# Altium PCB LimeNet-Micro_2v0.PcbDoc (part 7 of 11) (continued)
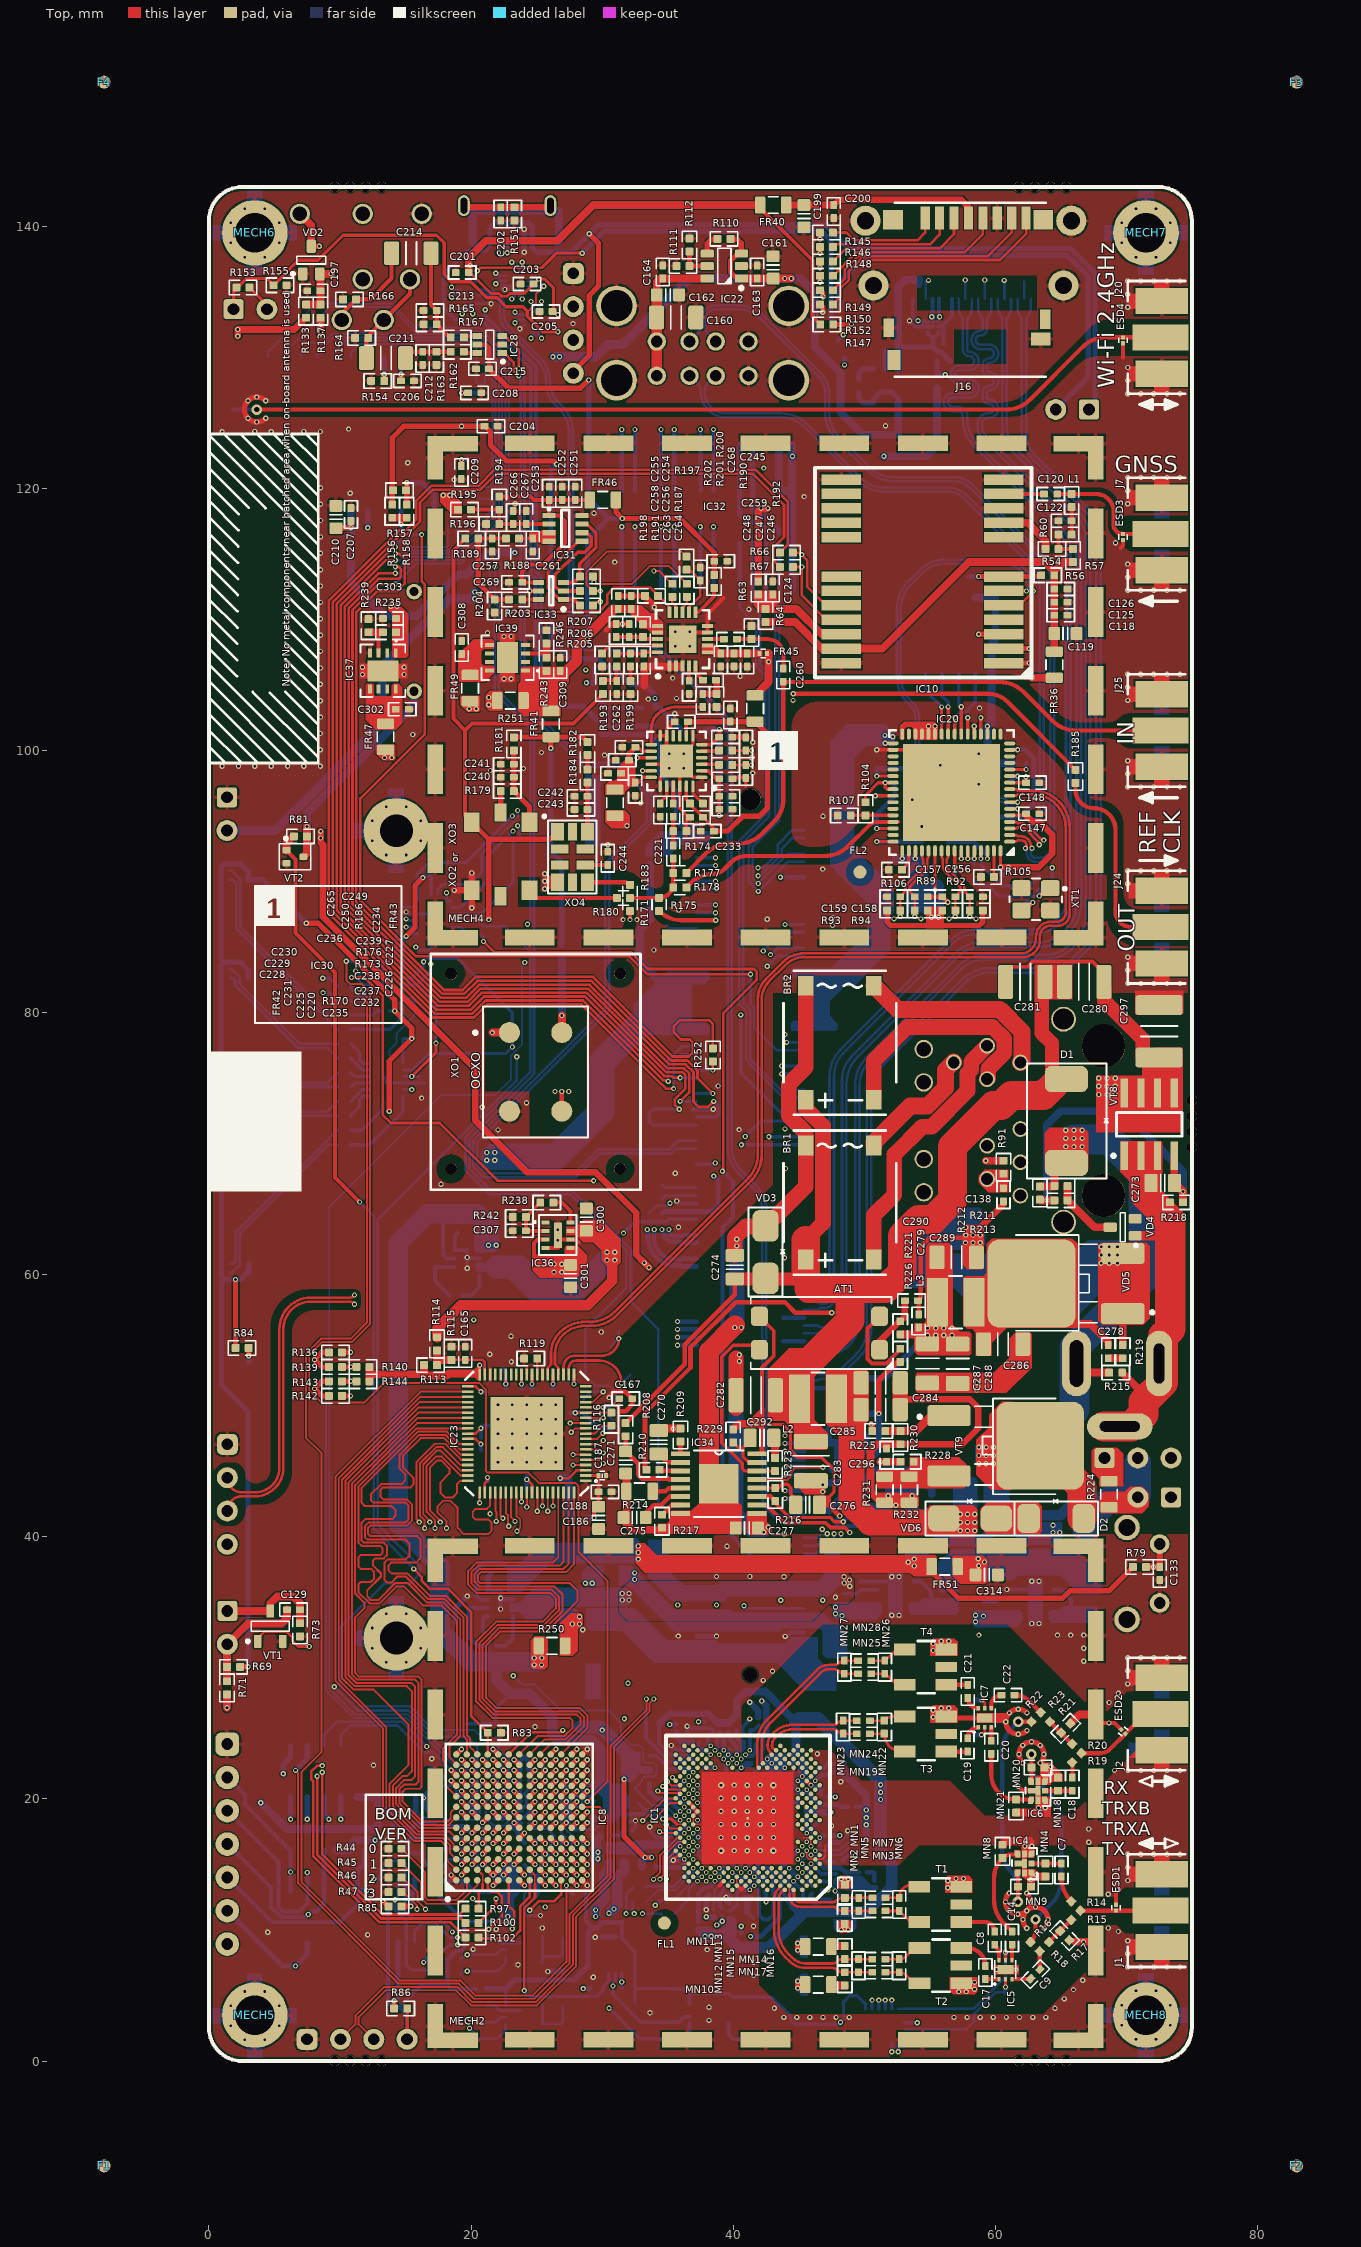
[diagram p0: Top view]
## Nets (pads, with @x,y where several pads share a name; then routed paths per layer and width w, separated by ;. In a path a pad name is that pad's centre, name@x,y a point inside that pad or via, vN(x,y) a via of type N, cw(c..) or ccw(c..) an arc to the next point about the centre after c; other vN are vias at no path point) (continued)
  Top w0.4: R181.1@23.261,100 C241.2@23.261,98.95 C240.2@23.261,97.95 R179.2@23.261,96.9 24.45,95.711 XO2.5@24.45,94.525
NetC242_2: C242.2 C243.2 R184.2 XO4.9 | length 3.7
  Top w0.4: XO4.9@28.886,93.8 R184.2@28.886,97.55
NetC244_2: C244.2 XO4.7 | length 1.7
  Top w0.3: XO4.7@28.711,91.275 C244.2@30.436,91.275
NetC246_2: C246.2 C247.1 C248.1 FR45.2 IC32.6 IC32.7 | length 1.1
  Top w0.3: IC32.7@38.038,108 IC32.6@38.038,107.5 38.688,107.5
NetC249_1: C249.1 IC32.5 | length 1.3
  Top w0.3: IC32.5@37.138,106.45 37.138,105.925 C249.1@37.688,105.375
NetC249_2: C249.2 C250.1 R186.2 | length 2.1
  Top w0.5: C250.1@37.688,104.325 38.688,104.325 R186.2@38.738,104.325 38.738,105.325 C249.2@38.688,105.375
NetC251_2: C251.2 C252.1 C253.1 C269.1 FR46.1 IC31.1 IC33.4 R194.2 | length 17.5
  Top w0.3: R194.2@22.15,119.375 24.55,119.375 24.8,119.125 C253.1@25.95,119.125 ; IC33.4@25.15,112.825 C269.1@23.9,112.825 23.9,113.625 24.475,114.2 25.5,114.2 27.15,115.85 27.15,117.5 26.725,117.925 IC31.1@25.95,117.925 C253.1@25.95,119.125 ; FR46.1@29.05,119.125 C251.2@27.95,119.125 C252.1@26.95,119.125 C253.1@25.95,119.125
NetC256_2: C256.2 C258.1 IC32.18 R187.1 | length 3.2
  Top w0.3: C258.1@31.113,108.675 C256.2@32.113,108.675 ; C256.2@32.088,108.65 R187.1@33.113,108.65 33.263,108.5 IC32.18@34.238,108.5
NetC257_2: C257.2 R188.1 R189.2 R203.1 R204.1 | length 8.4
  Top w0.3: R189.2@20.55,116.175 R188.1@22.65,116.175
  Top w0.4: R189.2@20.55,116.175 20.55,112.775 R204.1@21.8,111.525 R203.1@22.9,111.525
NetC259_1: C259.1 C260.2 R192.2 | length 5.3
  Top w0.3: C259.1@40.288,108.5 41.35,108.5 42.625,108.5 cw(c42.625,107.3) 43.825,107.3 C260.2@43.825,106.25
NetC259_2: C259.2 IC32.8 | length 1.2
  Top w0.3: IC32.8@38.038,108.5 C259.2@39.288,108.5
NetC261_1: C261.1 IC31.3 IC31.4 R188.2 | length 1
  Top w0.3: R188.2@23.65,116.175 C261.1@24.7,116.175
NetC262_2: C262.2 R191.2 R193.1 | length 2.1
  Top w0.309: R193.1@30.038,105.375 30.967,105.375 cw(c30.967,105.204) C262.2@31.088,105.325 ; C262.2@31.088,105.35 R191.2@31.088,106.4
NetC263_1: C263.1 R199.2 | length 1.1
  Top w0.3: C263.1@32.163,106.4 32.163,105.35 R199.2@32.213,105.3
NetC263_2: C263.2 C264.2 IC32.20 R191.1 | length 3.2
  Top w0.3: R191.1@31.113,107.4 C263.2@32.163,107.4 C264.2@33.163,107.4 33.263,107.5 IC32.20@34.238,107.5
NetC265_1: C265.1 IC32.4 | length 1.1
  Top w0.3: C265.1@36.638,105.325 IC32.4@36.638,106.45
NetC268_2: C268.2 IC32.12 R200.2 | length 4.2
  Top w0.2: R200.2@36.45,113.8 36.675,113.8 C268.2@37.5,112.975 37.5,111.8 36.638,110.938 IC32.12@36.638,110.55
NetC270_2: C270.2 IC34.2 | length 1.9
  Top w0.35: C270.2@34.324,46.312 34.96,45.676 ; 34.961,45.675 IC34.2@35.979,45.675
NetC271_2: C271.2 IC34.4 R208.1 | length 6.7
  Top w0.35: R208.1@31.792,47.675 31.796,47.671 C271.2@31.796,46.525 32.75,45.571 32.75,44.725 33.025,44.45 35.047,44.45 35.122,44.375 IC34.4@35.979,44.375
NetC272_1: C272.1 D1.A J26.1 R210.1 R211.1 R212.1 R215.2 | length 78.8
  Top w0.35: R210.1@33.374,45.112 33.27,45.216 33.27,49.445 36.744,52.919 36.744,54.463 40.181,57.9 43.95,57.9 44.75,57.1 v1(47.525,57.1)
  Top w0.6: R212.1@63.4,66.725 64.471,66.725 R211.1@64.511,66.765 64.511,67.611 D1.A@65.425,68.525 ; J26.1@66.5,53.225 67.2,52.525 R215.2@68.688,52.525
  L4 w0.35: v1(47.525,57.1) 49.825,57.1 58.675,65.95 60.25,65.95 61.5,67.2 61.5,67.225 61.625,67.35 62.95,67.35 v1(65.375,69.775)
  Bottom w2.3: v1@66,70.325 68.65,70.325 71.325,67.65 71.325,59.75 66.05,54.475 C272.1@66.05,49.725
  other v1: 66,69.775 66.625,69.775 65.375,70.4 66,70.4 66.625,70.4 65.375,71.025 66,71.025 66.625,71.025
NetC273_1: C273.1 J26.2 J26.3 R215.1 R218.2 VD4.1 VT8.1 VT8.2 VT8.3 | length 28.9
  Top w0.6: R215.1@69.687,52.525 71.3,50.912 71.3,50.274
  Top w0.7: VD4.1@70.675,62.975 73.275,62.975 ; 73.275,62.9 73.35,62.825
  Top w2.3: J26.3@68.3,48.425 69.8,48.425 70.375,48.425 71.3,49.35 71.3,50.274 72.8,51.774 72.8,53.225 72.8,55.3 73.35,55.85 73.35,62.825 73.35,64.167 71.425,66.092 C273.1@71.425,67.6
NetC273_2: C273.2 R212.2 R213.1 R218.1 VT8.4 | length 24.8
  Top w0.6: R212.2@63.4,65.725 63.45,65.675 R213.1@64.511,65.675 ; VT8.4@73.655,68.95 73.655,67.02 C273.2@73.675,67 v1(74.325,66.35) R218.1@74.325,65.525
  Bottom w0.6: v1(63.95,65.675) 63.95,71.45 64.975,72.475 69.725,72.475 74.325,67.875 v1(74.325,66.35)
NetC275_2: C275.2 IC34.6 | length 3.3
  Top w0.35: C275.2@33.374,41.637 33.374,41.862 33.899,42.387 34.462,42.387 35.15,43.075 35.326,43.075 IC34.6@35.979,43.075
NetC278_1: C278.1 R219.2 | length 1
  Top w0.6: C278.1@68.75,53.625 R219.2@69.725,53.625
NetC278_2: C278.2 C286.2 L3.1 VD5.4 | length 7.9
  Top w0.6: VD5.4@62.774,59.325 65.849,56.25 67.25,56.25 68.62,54.88 C278.2@68.62,54.625
NetC284_2: C284.2 C285.2 L2.2 T5.3 VD6.K | length 15.7
  Top w2: L2.2@48.55,49 49.025,48.525 49.025,42.539 50.464,41.1 v1(57.325,41.1) v1@57.475,41.1
  other v1: 57.325,40.475 57.875,40.475 58.425,40.475 57.875,41.1 58.425,41.1 57.325,41.725 57.875,41.725 58.425,41.725
NetC291_1: C291.1 D4.4 R222.1 R227.2 R233.2 R234.2 | length 6.9
  Bottom w0.4: R227.2@47.455,45.125 47.875,45.545 47.875,47.131 47.831,47.175
  Bottom w0.6: D4.4@47.403,49.375 47.455,49.323 47.455,48.276 R233.2@47.456,48.275 47.231,48.05 R234.2@47.231,47.175 47.831,47.175 C291.1@48.503,47.175 R222.1@49.555,47.175
NetC291_2: C291.2 C295.2 D4.3 R226.1 | length 12.9
  Top w0.4: v1(51.1,49.4) 51.1,51.919 52.531,53.35 R226.1@52.745,53.35
  Bottom w0.5: C295.2@48.455,45.125 C295.2@48.505,45.125 49.683,45.125 51.13,46.572 51.13,49.37 51.125,49.375 D4.3@50.003,49.375
  Bottom w0.6: C295.2@48.503,45.2 C291.2@48.503,46.175
NetC292_2: C292.2 R223.1 | length 1.6
  Top w0.6: C292.2@43.096,47.55 43.2,47.446 R223.1@43.2,46.015
NetC295_1: C295.1 R227.1 | length 1
  Bottom w0.6: R227.1@47.455,44.125 C295.1@48.43,44.125
NetC302_2: C302.2 FR47.2 IC37.5 IC37.8
NetC304_2: C304.2 FR48.2 IC38.5 IC38.8 | length 4.4
  Bottom w0.3: IC38.5@53.75,36.593 54.316,36.593 55.08,35.829 C304.2@55.08,34.529 56.38,34.529 FR48.2@56.48,34.629
NetC306_1: C306.1 IC35.2 R237.1 R241.2 | length 4.1
  Bottom w0.3: R237.1@18.355,58.425 R241.2@17.255,59.525 C306.1@17.255,60.575 IC35.2@18.75,60.575
NetC307_1: C307.1 IC36.2 R238.1 R242.2 | length 4.1
  Top w0.3: R238.1@25.277,65.5 R242.2@24.177,64.4 C307.1@24.177,63.35 IC36.2@25.672,63.35
NetC308_2: C308.2 FR49.2 IC39.5 IC39.8
NetC310_2: C310.2 FR50.2 IC40.5 IC40.8 | length 4.4
  Bottom w0.3: IC40.5@64.433,35.975 64.999,35.975 65.763,35.211 C310.2@65.763,33.911 67.063,33.911 FR50.2@67.163,34.011
NetC315_1: C315.1 IC41.2 R248.1 R249.2 | length 5.1
  Bottom w0.3: R248.1@20.905,31.675 20.525,31.675 19.805,32.395 R249.2@19.805,33.525 C315.1@19.805,34.575 IC41.2@21.3,34.575
NetD2_A: D2.A T5.4 VT9.4 | length 6.9
  Top w2.2: VT9.4@63.426,46.95 66.623,43.753 D2.A@66.623,41.4
  other v1: 58.75,45.575 59.3,45.575 59.85,45.575 58.75,46.2 59.3,46.2 59.85,46.2 58.75,46.825 59.3,46.825 59.85,46.825
NetD2_C: D2.C VD6.A
NetD3_A: D3.A R220.1 | length 3.1
  Bottom w0.6: D3.A@47.3,42 48.5,43.2 R220.1@49.875,43.2
NetESD1_1: ESD1.1 J1.1 R14.2 R15.2 | length 6.1
  Top w0.325: R15.2@66.5,11.475 J1.1@72.6,11.475
NetESD2_1: ESD2.1 J2.1 R19.2 R20.2 | length 7.4
  Top w0.325: R20.2@66.573,23.49 67.945,23.49 ccw(c67.945,24.687) 68.791,23.841 ESD2.1@69.925,24.975 ; 69.054,24.104 71.301,26.351 cw(c71.6,26.053) J2.1@71.6,26.475
NetFR41_2: FR41.2 R172.1 R181.2 R182.1 | length 22
  Top w0.4: R181.2@23.261,101 23.286,101.025 FR41.2@26.086,101.025 ; v1(26.086,100.164) FR41.2@26.086,101.025 ; R182.1@28.886,100.65 28.511,101.025 FR41.2@26.086,101.025
  Bottom w0.4: v1(26.086,100.164) 26.086,92.314 26.925,91.475 R172.1@26.925,85.125
NetIC1_D28: IC1.D28 R9.1 | length 3
  Bottom w0.15: R9.1@35.532,12.299 35.532,12.363 36.797,13.628 36.797,13.844 37.023,14.07 37.594,14.07 v2(37.611,14.053)
NetIC1_F18: IC1.F18 R11.1 | length 2.2
  Bottom w0.25: v2(40.941,14.719) 41.179,14.957 41.179,15.454 41.562,15.836 41.562,16.569 R11.1@41.511,16.621
NetIC1_F28: IC1.F28 R8.1 | length 5.4
  Bottom w0.15: R8.1@33.331,12.105 34.269,13.044 35.572,13.044 36.609,14.081 36.897,14.369 37.261,14.369 v2(37.611,14.719)
NetIC1_F30: IC1.F30 R7.1 | length 4.2
  Bottom w0.2: R7.1@33.322,13.219 33.447,13.344 35.483,13.344 36.858,14.719 v2(36.945,14.719)
NetIC8_C4: IC8.C4 R51.2 | length 3.7
  Top w0.4: v1(20.072,15.794) IC8.C4@20.472,16.194
  Bottom w0.2: R51.2@17.272,15.894 17.572,16.194 19.672,16.194 v1(20.072,15.794)
NetIC8_E5: IC8.E5 R39.2 | length 6.2
  Top w0.4: v1(21.672,16.594) IC8.E5@22.072,16.994
  Bottom w0.2: R39.2@17.872,14.794 17.872,14.96 18.306,15.394 20.238,15.394 20.472,15.628 20.472,16.76 20.706,16.994 21.285,16.994 21.672,16.607 v1(21.672,16.594)
NetIC8_E7: IC8.E7 R50.2 | length 7.6
  Top w0.4: v1(21.672,18.994) IC8.E7@22.072,18.594
  Bottom w0.2: v1(21.672,18.994) 22.072,19.394 22.072,19.96 22.306,20.194 22.638,20.194 22.872,20.428 22.872,23.16 22.638,23.394 22.256,23.394 22.072,23.578 22.072,24.544 R50.2@21.872,24.744
NetIC10_1: IC10.1 R65.2 | length 2.7
  Top w0.4: IC10.1@60.653,106.675 v1(62.581,106.675)
  Bottom w0.4: R65.2@61.831,106.675 v1(62.581,106.675)
NetIC10_2: IC10.2 R62.2 | length 2.7
  Top w0.4: IC10.2@60.653,107.775 v1(62.581,107.775)
  Bottom w0.4: R62.2@61.831,107.775 v1(62.581,107.775)
NetIC19_3: IC19.3 R86.2 | length 5.2
  Top w0.4: R86.2@14.125,4 v1(14.125,4.6)
  Bottom w0.4: v1(14.125,4.6) 14.415,4.89 IC19.3@14.415,9.1
NetIC19_7: IC19.7 R85.2 | length 2.9
  Top w0.4: R85.2@14.7,11.8 v1(15.407,11.8)
  Bottom w0.4: v1(15.407,11.8) 15.407,12.707 15.685,12.985 IC19.7@15.685,13.9
NetIC20_20: IC20.20 R97.1 | length 164.2
  Top w0.2: v1@8.65,21.875 8.65,15.775 13.25,11.175 19.125,11.175 R97.1@19.575,11.625
  Top w0.25: IC20.20@58.9,101.25 v1(58.9,102.5)
  L3 w0.1: v1(8.65,22.025) 8.175,22.5 8.175,23.274 8.175,28.3 9.15,29.275 9.15,58.799 10.352,60 20.559,60 22.4,61.841 22.4,95.8 27.475,100.875 27.475,113.25 30.15,115.925 35.516,115.925 46.166,105.275 56.725,105.275 58.375,103.625 58.375,103.025 v1(58.9,102.5)
NetIC20_21: IC20.21 R100.1 | length 164.7
  Top w0.2: v1@8.25,21.675 8.25,15.751 13.126,10.875 19.225,10.875 R100.1@19.575,10.525
  Top w0.25: IC20.21@58.4,101.25 v1(58.4,101.85)
  L3 w0.1: v1(8.25,21.725) 8.3,21.675 8.795,21.675 9.025,21.905 9.025,22.794 8.575,23.244 8.575,28.134 9.55,29.109 9.55,58.633 10.517,59.6 20.725,59.6 22.8,61.675 22.8,95.634 27.875,100.709 27.875,113.084 30.316,115.525 35.35,115.525 46,104.875 56.559,104.875 57.975,103.459 57.975,103.07 57.55,102.645 57.55,102.35 58.05,101.85 v1(58.4,101.85)
NetIC20_22: IC20.22 R102.1 | length 165.5
  Top w0.2: v1(8.65,22.544) 8.269,22.544 7.8,22.075 7.8,21.519 7.95,21.369 7.95,15.626 13.001,10.575 18.425,10.575 R102.1@19.575,9.425
  Top w0.25: IC20.22@57.9,101.25 v1(57.9,102.5)
  L3 w0.1: v1@8.625,22.544 8.375,22.794 8.375,23.077 8.375,28.217 9.35,29.192 9.35,58.716 10.434,59.8 20.642,59.8 22.6,61.758 22.6,95.717 27.675,100.792 27.675,113.167 30.233,115.725 35.433,115.725 46.083,105.075 56.642,105.075 58.175,103.542 58.175,102.775 v1(57.9,102.5)
NetIC20_50: IC20.50 R106.1 | length 1.7
  Top w0.25: R106.1@52.875,90.9 53.4,91.425 IC20.50@53.4,92.35
NetIC20_61: IC20.61 R95.1 R96.1 | length 6.5
  Top w0.25: v1(58.9,91.75) IC20.61@58.9,92.35
  Bottom w0.25: v1(58.9,91.75) 58.925,91.725 58.925,91.25 R96.1@60.5,89.675 62.625,89.675 R95.1@63.35,90.4
NetIC20_63: IC20.63 R105.1 | length 2
  Top w0.25: R105.1@59.9,90.35 IC20.63@59.9,92.35
NetIC22_4: IC22.4 R110.2 | length 1.7
  Top w0.4: IC22.4@38.02,137.92 38.02,138.707 38.333,139.02 R110.2@38.82,139.02
NetIC22_5: IC22.5 R111.1 R112.1 | length 2.5
  Top w0.4: R112.1@36.67,138.07 R111.1@36.67,136.97 IC22.5@38.02,136.97
NetIC23_27: IC23.27 R119.2 | length 1.2
  Top w0.2: IC23.27@25.05,52.375 R119.2@25.05,53.6
NetIC24_10: IC24.10 R147.2 VT5.D | length 38.5
  Top w0.22: v1(20.475,136.6) 20.715,136.84 25.39,136.84 26.5,137.95 v1(28.475,137.95)
  Top w0.4: R147.2@47.638,132.513 v1(49.025,132.513)
  Bottom w0.22: IC24.10@20.325,135.8 20.325,136.45 v1(20.475,136.6)
  Bottom w0.4: v1(28.475,137.95) 30.15,139.625 34.017,139.625 46.75,139.625 47.453,138.922 47.453,132.947 47.887,132.513 VT5.D@48.493,132.513 v1(49.025,132.513)
NetIC26_9: IC26.9 R154.1 | length 1.8
  Top w0.4: R154.1@13.375,128.2 v1(13.375,128.705)
  Bottom w0.4: v1(13.375,128.705) IC26.9@13.375,129.99
NetIC26_23: IC26.23 R157.2 R158.2 | length 5.4
  Top w0.4: R158.2@15.085,118.76 v1(15.085,120.435)
  Bottom w0.4: v1(15.085,120.435) 16.24,120.435 17.185,119.49 IC26.23@17.185,118.29
NetIC26_25: IC26.25 R156.2 R158.1 R159.2 | length 3.4
  Top w0.4: v1(14.645,117.255) 14.645,117.76
  Top w0.6: R156.2@13.985,117.76 R158.1@15.085,117.76
  Bottom w0.4: IC26.25@14.645,118.29 v1(14.645,117.255) 14.645,116.48 R159.2@14.65,116.475
NetIC28_4: IC28.4 R167.1 | length 1.2
  Top w0.325: R167.1@19.447,131.525 19.547,131.625 IC28.4@20.572,131.625
NetIC28_6: IC28.6 R162.1 | length 1.2
  Top w0.325: R162.1@19.447,130.425 19.547,130.325 IC28.6@20.572,130.325
NetIC29_4: IC29.4 R168.2 | length 1.7
  Bottom w0.4: R168.2@49.6,128.325 49.6,128.812 49.913,129.125 IC29.4@50.7,129.125
NetIC29_5: IC29.5 R169.1 | length 1.4
  Bottom w0.4: IC29.5@51.65,129.125 R169.1@51.65,130.475
NetIC30_3: IC30.3 R173.2 | length 1.3
  Top w0.3: IC30.3@37.6,98.95 38.875,98.95 R173.2@38.925,98.9
NetIC30_5: IC30.5 R176.2 | length 1.3
  Top w0.3: IC30.5@37.6,99.95 38.875,99.95 R176.2@38.925,100
NetIC30_24: IC30.24 R170.1 | length 1.6
  Top w0.25: IC30.24@36.925,97.275 36.925,96.725 R170.1@37.7,95.95
NetIC32_11: IC32.11 R190.1 | length 2.6
  Top w0.3: IC32.11@37.138,110.55 37.338,110.55 38.55,111.762 R190.1@38.55,112.4
NetIC32_13: IC32.13 R201.2 | length 1.3
  Top w0.2: IC32.13@36.138,110.55 36.138,110.913 36.463,111.238 R201.2@36.463,111.725
NetIC32_14: IC32.14 R202.2 | length 1.3
  Top w0.2: R202.2@35.363,111.725 35.363,111.237 35.638,110.962 IC32.14@35.638,110.55
NetIC32_19: IC32.19 R198.1 | length 4.5
  Top w0.3: R198.1@30.013,107.45 30.563,108 IC32.19@34.238,108
NetIC33_6: IC33.6 R203.2 | length 1.3
  Top w0.3: R203.2@23.9,111.525 IC33.6@25.15,111.525
NetIC34_1: IC34.1 R209.2 | length 0.9
  Top w0.35: R209.2@35.974,47.262 35.979,47.257 IC34.1@35.979,46.336
NetIC34_5: IC34.5 R214.1 | length 2.2
  Top w0.35: R214.1@33.85,43.475 34.837,43.475 35.082,43.72 IC34.5@35.979,43.72
NetIC34_7: IC34.7 R217.1 | length 1.7
  Top w0.35: R217.1@34.574,41.687 35.312,42.424 IC34.7@35.979,42.425
NetIC35_8: IC35.8 R237.2 | length 2.4
  Bottom w0.3: R237.2@19.355,58.425 20.025,58.425 20.65,59.05 IC35.8@20.65,59.925
NetIC36_8: IC36.8 R238.2 | length 2.4
  Top w0.3: R238.2@26.277,65.5 26.947,65.5 27.572,64.875 IC36.8@27.572,64
NetIC37_3: IC37.3 R235.1 R239.1 | length 2.6
  Top w0.3: IC37.3@12.95,107.45 12.95,108.976
  Top w0.6: R239.1@12.168,109.025 R235.1@13.268,109.025
NetIC38_3: IC38.3 R236.1 R240.2 | length 2.7
  Bottom w0.3: R236.1@48.405,35.654 49.405,35.654 R240.2@49.505,35.754 49.694,35.943 IC38.3@51,35.943
NetIC39_3: IC39.3 R243.1 R246.1 | length 2.7
  Top w0.3: IC39.3@24.155,107.414 25.75,107.414
  Top w0.6: R243.1@25.75,107.075 25.75,107.414 R246.1@25.75,108.175
NetIC40_3: IC40.3 R244.2 R247.2 | length 2.7
  Bottom w0.3: R244.2@59.088,35.036 60.088,35.036 R247.2@60.188,35.136 60.377,35.325 IC40.3@61.683,35.325
NetIC41_1: IC41.1 R245.2 | length 1.5
  Bottom w0.3: R245.2@20.905,32.775 20.905,33.775 21.055,33.925 IC41.1@21.3,33.925
NetIC41_8: IC41.8 R248.2 | length 3.2
  Bottom w0.3: R248.2@21.905,31.675 22.625,31.675 23.2,32.25 IC41.8@23.2,33.925
NetJ9_P7: J9.P7 R99.2 | length 193
  L4 w0.1: v1(8.7,81.525) 9.675,82.5 9.675,83.8 9.675,124.858 3.026,131.506 3.026,134.451 7.8,139.225 25.525,139.225 26.175,139.875 47,139.875 48.525,138.35 51.275,138.35 56.15,133.475 56.15,131.275 66.831,120.594 66.831,90.921 53.5,77.591 53.5,67.33 J9.P7@54.545,66.285
  Bottom w0.25: v1(8.7,81.525) 9.208,81.525 R99.2@9.808,80.925
NetJ9_P13: J9.P13 R101.2 | length 183.4
  L4 w0.1: v1(8.675,82.625) 9.475,83.425 9.475,83.8 9.475,124.775 2.826,131.424 2.826,134.534 7.717,139.425 25.442,139.425 26.092,140.075 47.083,140.075 48.608,138.55 51.358,138.55 56.35,133.558 56.35,131.358 67.031,120.677 67.031,90.839 55.575,79.383 55.575,75.705 J9.P13@54.545,74.675
  Bottom w0.25: v1(8.675,82.625) 9.207,82.625 R101.2@9.807,82.025
NetJ13_28: J13.28 R121.2 | length 2.4
  Bottom w0.2: R121.2@34.9,86.675 35.15,86.425 J13.28@37.2,86.425
NetJ13_30: J13.30 R122.2 | length 2.4
  Bottom w0.2: R122.2@34.9,85.575 35.15,85.825 J13.30@37.2,85.825
NetJ13_52: J13.52 R252.1 | length 1.9
  Top w0.2: v1(38.45,75.625) R252.1@38.45,76.275
  Bottom w0.25: J13.52@37.2,75.625 v1(38.45,75.625)
NetJ13_82: J13.82 R125.2 | length 2.7
  Bottom w0.2: R125.2@34.575,66.875 34.825,66.625 J13.82@37.2,66.625
NetJ13_84: J13.84 R126.2 | length 2.7
  Bottom w0.2: R126.2@34.575,65.775 34.825,66.025 J13.84@37.2,66.025
NetJ13_168: J13.168 R123.2 | length 2.4
  Bottom w0.2: R123.2@34.825,40.825 J13.168@37.2,40.825
NetJ13_177: J13.177 R124.1 | length 73.9
  Top w0.2: v1(20.95,85.425) 21.775,84.6 32.212,84.6 33.487,83.325 41.6,83.325 41.8,83.125 41.8,82.515 39.25,79.965 39.25,67.975 v1(39.175,67.9)
  Bottom w0.2: R124.1@20.75,86 20.95,85.8 v1(20.95,85.425)
  Bottom w0.3: v1(39.175,67.9) 39.975,67.1 39.975,64.4 39.175,63.6 39.175,40.772 41.822,38.125 J13.177@45.4,38.125
NetJ16_1: J16.1 R145.2 | length 8.6
  Top w0.2: R145.2@47.625,139.525 48.65,139.525 49.25,138.925 54.05,138.925 54.65,139.525 J16.1@54.65,140.625
NetJ16_2: J16.2 R146.2 | length 9.8
  Top w0.2: R146.2@47.625,138.425 47.825,138.625 55.005,138.625 55.75,139.37 J16.2@55.75,140.625
NetJ16_3: J16.3 R148.2 | length 11.3
  Top w0.2: R148.2@47.625,137.325 48.625,138.325 55.775,138.325 56.85,139.4 J16.3@56.85,140.625
NetJ16_5: J16.5 R149.2 | length 14
  Top w0.2: R149.2@47.625,136.225 49.425,138.025 57.68,138.025 59.05,139.395 J16.5@59.05,140.625
NetJ16_7: J16.7 R150.2 | length 16.9
  Top w0.2: R150.2@47.625,135.125 48.525,136.025 48.525,136.7 49.549,137.725 59.455,137.725 61.25,139.52 J16.7@61.25,140.625
NetJ16_8: J16.8 R152.2 | length 19
  Top w0.2: R152.2@47.625,134.025 48.2,134.6 48.2,135.275 48.825,135.9 48.825,136.576 49.674,137.425 60.35,137.425 62.35,139.425 J16.8@62.35,140.625
NetJ24_1: J24.1 R185.1 | length 15.7
  Top w0.325: R185.1@66.125,97.525 66.125,97 ccw(c67.525,97) 67.525,95.6 cw(c67.525,93.953) 69.172,93.953 69.172,87.725 ccw(c70.372,87.725) 70.372,86.525 J24.1@72.6,86.525
NetLED1_3: LED1.3 R68.1 | length 13.7
  Bottom w0.2: LED1.3@1.625,60.837 1.837,60.837 2.05,61.05 2.05,63.275 R68.1@9.8,71.025
NetLED1_4: LED1.4 R70.1 | length 13.6
  Bottom w0.2: LED1.4@1.625,60.137 1.729,60.137 2.35,60.759 2.35,63.15 9.125,69.925 R70.1@9.8,69.925
NetLED2_3: LED2.3 R72.1 | length 10.4
  Bottom w0.2: LED2.3@1.625,68.337 1.837,68.337 2.05,68.55 2.05,68.925 5.55,72.425 9.008,72.425 R72.1@9.808,73.225
NetLED2_4: LED2.4 R74.1 | length 10.3
  Bottom w0.2: LED2.4@1.625,67.637 1.729,67.637 2.35,68.259 2.35,68.775 5.7,72.125 R74.1@9.8,72.125
NetLED3_3: LED3.3 R75.1 | length 9.3
  Bottom w0.2: LED3.3@1.6,75.837 1.704,75.837 2.325,75.216 2.325,74.774 2.474,74.625 9.008,74.625 R75.1@9.808,75.425
NetLED3_4: LED3.4 R76.1 | length 8.7
  Bottom w0.2: LED3.4@1.6,75.137 1.812,75.137 2.025,74.925 2.025,74.65 2.35,74.325 R76.1@9.808,74.325
NetLED4_3: LED4.3 R77.1 | length 10.9
  Bottom w0.2: LED4.3@1.6,83.337 1.704,83.337 2.325,82.716 2.325,82.2 6.9,77.625 R77.1@9.808,77.625
NetLED4_4: LED4.4 R78.1 | length 11
  Bottom w0.2: LED4.4@1.6,82.637 1.812,82.637 2.025,82.425 2.025,82.05 6.775,77.3 9.03,77.3 R78.1@9.805,76.525
NetLED5_3: LED5.3 R80.1 | length 14.9
  Bottom w0.2: LED5.3@1.6,90.837 1.704,90.837 2.375,90.166 2.375,86.582 9.132,79.825 R80.1@9.808,79.825
NetLED5_4: LED5.4 R82.1 | length 14.9
  Bottom w0.2: LED5.4@1.6,90.137 1.812,90.137 2.075,89.875 2.075,86.458 R82.1@9.808,78.725
NetLED6_1: LED6.1 R84.2 | length 1.1
  Top w0.4: v1(3.025,53.825) R84.2@3.025,54.412
  Bottom w0.4: LED6.1@3.025,53.337 v1(3.025,53.825)
NetLS1_2: LS1.2 R81.2 VT2.D | length 16.1
  Top w0.6: VT2.D@7.205,91.889 7.475,92.159 v1(7.475,94.2) ; LS1.2@15.646,104.529 LS1.2@15.65,104.525
  Bottom w0.6: v1(7.475,94.2) 7.475,95.264 15.65,103.439 LS1.2@15.65,104.525
NetMN10_1: MN10.1 MN12.2 | length 1
  Top w0.6: MN10.1@47.54,5.774 MN12.2@48.511,5.774
NetMN11_1: MN11.1 MN13.2 | length 1
  Top w0.6: MN11.1@47.536,8.774 MN13.2@48.511,8.774
NetR54_1: R54.1 R57.2 R60.1 | length 2.2
  Top w0.325: R60.1@64.828,116.475 R54.1@64.828,115.375 R57.2@65.928,115.375
NetR134_2: R134.2 R138.2 VT3.S VT4.D | length 4.3
  Bottom w0.4: VT4.D@29.9,103.93 29.9,103.675 30.34,103.235 30.395,103.235 ; VT3.S@30.395,102.508 30.395,103.235 ; R134.2@33.035,103.235 R138.2@31.935,103.235 30.395,103.235
NetR171_2: R171.2 XO1.3 | length 17
  Top w0.325: XO1.3@26.925,72.475 v1(26.925,73.984) ; v1(32.125,87.1) R171.2@32.125,87.75
  L3 w0.1: v1(26.925,73.984) 26.925,75.373 cw(c29.465,75.373) 27.669,77.169 28.581,78.081 ccw(c26.785,79.877) 29.325,79.877 29.325,82.148 cw(c31.865,82.148) 30.069,83.944 31.381,85.256 ccw(c29.585,87.052) 32.125,87.052 v1(32.125,87.1)
NetR179_1: R179.1 XO2.6 | length 1.6
  Top w0.4: XO2.6@22.25,95.275 22.261,95.286 R179.1@22.261,96.9
NetR180_2: R180.2 XO2.4 XO3.3 | length 6.6
  Top w0.325: XO2.4@24.5,88.75 R180.2@31.125,88.75
NetR182_2: R182.2 R184.1 | length 1.1
  Top w0.4: R184.1@28.886,98.55 R182.2@28.886,99.65
NetR183_1: R183.1 XO4.6 | length 3.3
  Top w0.325: XO4.6@28.886,89.95 31.642,89.95 cw(c31.642,89.267) R183.1@32.125,89.75
NetR211_2: R211.2 R213.2 VD4.3 | length 5.2
  Top w0.6: R211.2@65.511,66.765 R213.2@65.511,65.675 67.511,63.675 67.55,63.675 67.6,63.625 VD4.3@68.775,63.625
NetR219_1: R219.1 T5.7 T5.8 VD5.1 VD5.3 | length 2.7
  Top w0.6: R219.1@69.725,54.625 69.725,56.524 VD5.1@70.226,57.025 ; VD5.3@70.226,61.625 VD5.3@70.275,61.674
  other v1: 68.075,60.875 68.7,60.875 69.325,60.875 68.075,61.5 68.7,61.5 69.325,61.5 68.075,62.125 68.7,62.125 69.325,62.125
NetR220_2: R220.2 T5.2 | length 6.6
  Bottom w0.6: R220.2@49.875,44.2 50.75,45.075 53.725,45.075 55.15,43.65 T5.2@55.15,43.25
NetR225_2: R225.2 R230.1 VT9.1 | length 4.9
  Top w0.6: R225.2@51.606,48.067 R230.1@52.775,48.067 53.953,48.067 55.136,49.25 VT9.1@55.974,49.25
NetR228_2: R228.2 R231.1 R232.1 VT9.3
POE1_DC+: BR1.3 J9.P10 | length 20.3
  Top w1.2: BR1.3@50.735,61.15 50.735,64.535 52.3,66.1 52.3,69.168 54.432,71.3 55.15,71.3 57.881,74.031 57.881,75.382 58.16,75.661 58.16,76.25 J9.P10@59.375,77.465
POE1_DC-: BR1.4 J9.P11 | length 9.4
  Top w1.3: BR1.4@50.735,69.85 50.735,70.111 53.505,72.882 54.822,72.882 56.206,74.265 56.206,75.366 ; 56.206,75.616 J9.P11@56.81,76.22
POE2_DC+: BR2.3 J9.P8 | length 18
  Top w1.2: BR2.3@50.735,73.35 50.735,76.333 53.302,78.9 59.778,78.9 60.675,78.003 60.675,76.927 59.46,75.712 59.46,75.01 J9.P8@59.375,74.925
POE2_DC-: BR2.4 J9.P9 | length 15.1
  Top w1.3: BR2.4@50.735,82.05 52.535,80.25 60.338,80.25 62.025,78.563 62.025,76.305 J9.P9@61.915,76.195
POE_AGND: AT1.3 C270.1 C276.1 C294.1 IC34.16 R209.1 R229.2 | length 36.7
  Top w0.25: 42.21,48.575 43.772,48.575 44.375,47.972 44.375,46.6 44.925,46.05 46.772,46.05 47.684,45.138 47.684,43.403 C276.1@47.056,42.775
  Top w0.3: AT1.3@41.998,56.82 43.096,55.723 43.096,53.795 42.209,52.909 42.209,49.175 ; 47.289,42.437 47.289,42.478 47.3,42.49
  Top w0.35: IC34.16@41.821,46.336 42.196,46.336 42.196,48.229 41.9,48.525 42.21,48.835
  Top w0.4: C276.1@46.575,42.437 47.289,42.437 v1(48.134,41.591)
  Top w0.55: R229.2@40,48.2 40.425,48.625 v1(41.4,48.625)
  Top w0.6: C270.1@34.324,48.112 34.474,48.262 R209.1@35.974,48.262
  L4 w0.6: v1(35.412,48.237) 41.012,48.237 v1(41.4,48.625)
  Bottom w0.3: v1@48.159,41.584 47.875,41.3 47.875,40.926 48.113,40.688 48.617,40.688 48.754,40.825 50.125,40.825 C294.1@50.25,40.7
POE_AUXII: IC34.3 R210.2 | length 1.5
  Top w0.35: R210.2@34.461,45.025 IC34.3@35.979,45.025
POE_COMP: AT1.4 IC34.14 R223.2 | length 15.1
  Top w0.25: AT1.4@41.998,54.28 41.653,54.625 40.004,54.625 39.125,53.746 39.125,47.175 40.7,45.6 40.7,45.212 40.897,45.015 R223.2@43.2,45.015
POE_CS: C296.1 IC34.13 R228.1 | length 11.7
  Top w0.15: IC34.13@41.821,44.38 41.851,44.35 44.138,44.35 44.375,44.587 44.375,44.9 44.775,45.3 v1(46.85,45.3)
  Top w0.6: v1@51.231,45.725 C296.1@51.7,45.725 R228.1@52.775,45.725
  L3 w0.15: v1(46.85,45.3) 50.816,45.3 v1(51.231,45.715)
POE_GD: IC34.10 R225.1 | length 17.5
  Top w0.3: IC34.10@41.821,42.425 42.55,42.425 43.9,41.075 47.056,41.075 47.431,40.7 48.515,40.7 v1(48.89,40.325)
  Top w0.4: v1(50.531,48.6) 50.606,48.525 R225.1@50.606,48.067
  L4 w0.35: v1(48.89,40.325) 48.89,46.959 v1(50.531,48.6)
POE_GND: C272.2 C277.1 C280.1 C281.1 C282.1 C283.1 C284.1 C285.1 C293.1 C296.2 C297.2 IC34.9 R230.2 R231.2 R232.2 T5.1 VT8.5 VT8.6 VT8.7 VT8.8 | length 152.2
  Top w0.3: C281.1@60.791,82.35 60.791,82.966 61.325,83.5 62.45,83.5 62.85,83.9 67.426,83.9 68.28,83.046 C280.1@68.28,82.35
  Top w0.5: C285.1@52.745,49.73 C285.1@52.75,49.735 ; R230.2@52.775,47.067 57.48,47.067 58.7,48.287 58.7,49.852 58.052,50.5 C285.1@52.825,50.5
  Top w0.6: R230.2@52.775,47.067 50.955,47.067 50.464,46.575 50.464,43.442 51.306,42.6 R231.2@51.556,42.6 R232.2@53.175,42.6
  Top w1.1: C280.1@68.311,81.878 68.311,80.903 71.25,77.964 71.25,76.725 71.75,76.225 71.75,71.5
  Top w1.15: C282.1@40.229,49.8 C282.1@40.229,50.8 40.229,53.625 ; C285.1@52.75,49.735 C284.1@52.75,51.725
  L4 w2.2: 52.4,43.136 52.7,43.436 52.7,56.325 54.3,57.925 68.85,57.925 71.575,60.65 71.575,71.325 v1(69.15,73.75) v1(68.525,74.375)
  L5 w1.15: 42.5,40.55 42.5,40.175 43.505,39.17 44.695,39.17 45.588,40.063 ; 46.475,43.875 46.475,43.5 45.588,42.613 45.588,40.063 ; 53.275,43.175 49.25,39.15 46.5,39.15 45.588,40.063
  Bottom w0.6: T5.1@52.65,42.775 T5.1@52.65,43.25
  Bottom w0.8: T5.1@53.15,42.65 C293.1@55.1,40.7 56.125,39.675 58.957,39.675 60.932,41.65 64.975,41.65 65.875,42.55 C272.2@65.875,47.425
  Bottom w1.15: 40.225,53.625 40.225,41.711 41.361,40.575 42.384,40.575
  other v1: 42.325,40.35 42.675,40.725 52.4,42.4 51.825,43.136 53.65,43.125 46.825,43.45 46.825,43.975 40.475,53.4 40.475,53.9 67.9,73.75 68.525,73.75 67.9,74.375 69.15,74.375 67.9,75 68.525,75 69.15,75
POE_NPGD: C276.2 IC34.12 R216.1 | length 4.3
  Top w0.25: IC34.12@41.821,43.72 43.453,43.72 43.733,44 44.15,44 44.4,43.75 44.4,43.25 44.775,42.875 C276.2@44.775,42.437
POE_VCC: C293.2 C294.2 D3.C IC34.11 R216.2 | length 14
  Top w0.25: R216.2@43.208,42.725 43.208,42.559 44.292,41.475 47.4,41.475 47.725,41.15 v1(48.4,41.15)
  Top w0.35: IC34.11@41.821,43.075 42.858,43.075 R216.2@43.208,42.725
  Bottom w0.3: v1@48.4,41.175 D3.C@49.2,41.975
  Bottom w0.4: D3.C@49.2,42 D3.C@49.4,42
  Bottom w1: D3.C@49.15,42.086 51.364,42.086 52.05,41.4 C294.2@52.05,40.7 C293.2@53.325,40.7
POE_VFB: C292.1 IC34.15 R229.1 | length 4
  Top w0.25: R229.1@40,47.2 40.451,46.749 40.747,46.749 ; C292.1@41.175,47.671 C292.1@41.296,47.55 41.296,47.297 40.747,46.749 ; IC34.15@41.821,45.676 41.169,45.676 40.747,46.097 40.747,46.749
POE_VIN: BR1.1 BR2.1 C274.2 C280.2 C281.2 C282.2 C283.2 D1.C L2.1 R208.2 VD3.A | length 83.2
  Top w0.35: R208.2@31.792,48.675 36.294,53.177 36.294,54.65 40.125,58.48 C274.2@40.125,59.675
  Top w1: C274.2@40.125,59.675 45.397,59.675 45.535,59.812
  Top w1.1: C281.2@63.55,82.55 63.55,78.425 64.325,77.65 64.325,74.825 D1.C@64.575,74.575
  Top w1.2: 45.535,62.635 46.85,63.95 46.85,71.35 45.535,72.665 BR2.1@45.535,73.35
  Top w2.2: L2.1@45.075,49.45 45.075,52.65 48.925,56.5 48.925,58.85 ; 45.535,59.812 45.535,62.635 ; 45.775,58.95 51.65,58.95 52.9,60.2 52.9,62.956 54.169,64.225 55.275,64.225 56.725,65.675 56.725,69.775 59.85,72.9 60.45,72.9 61.225,73.675 63.675,73.675 D1.C@64.575,74.575